# KiCad board MainPCBV1.kicad_pcb
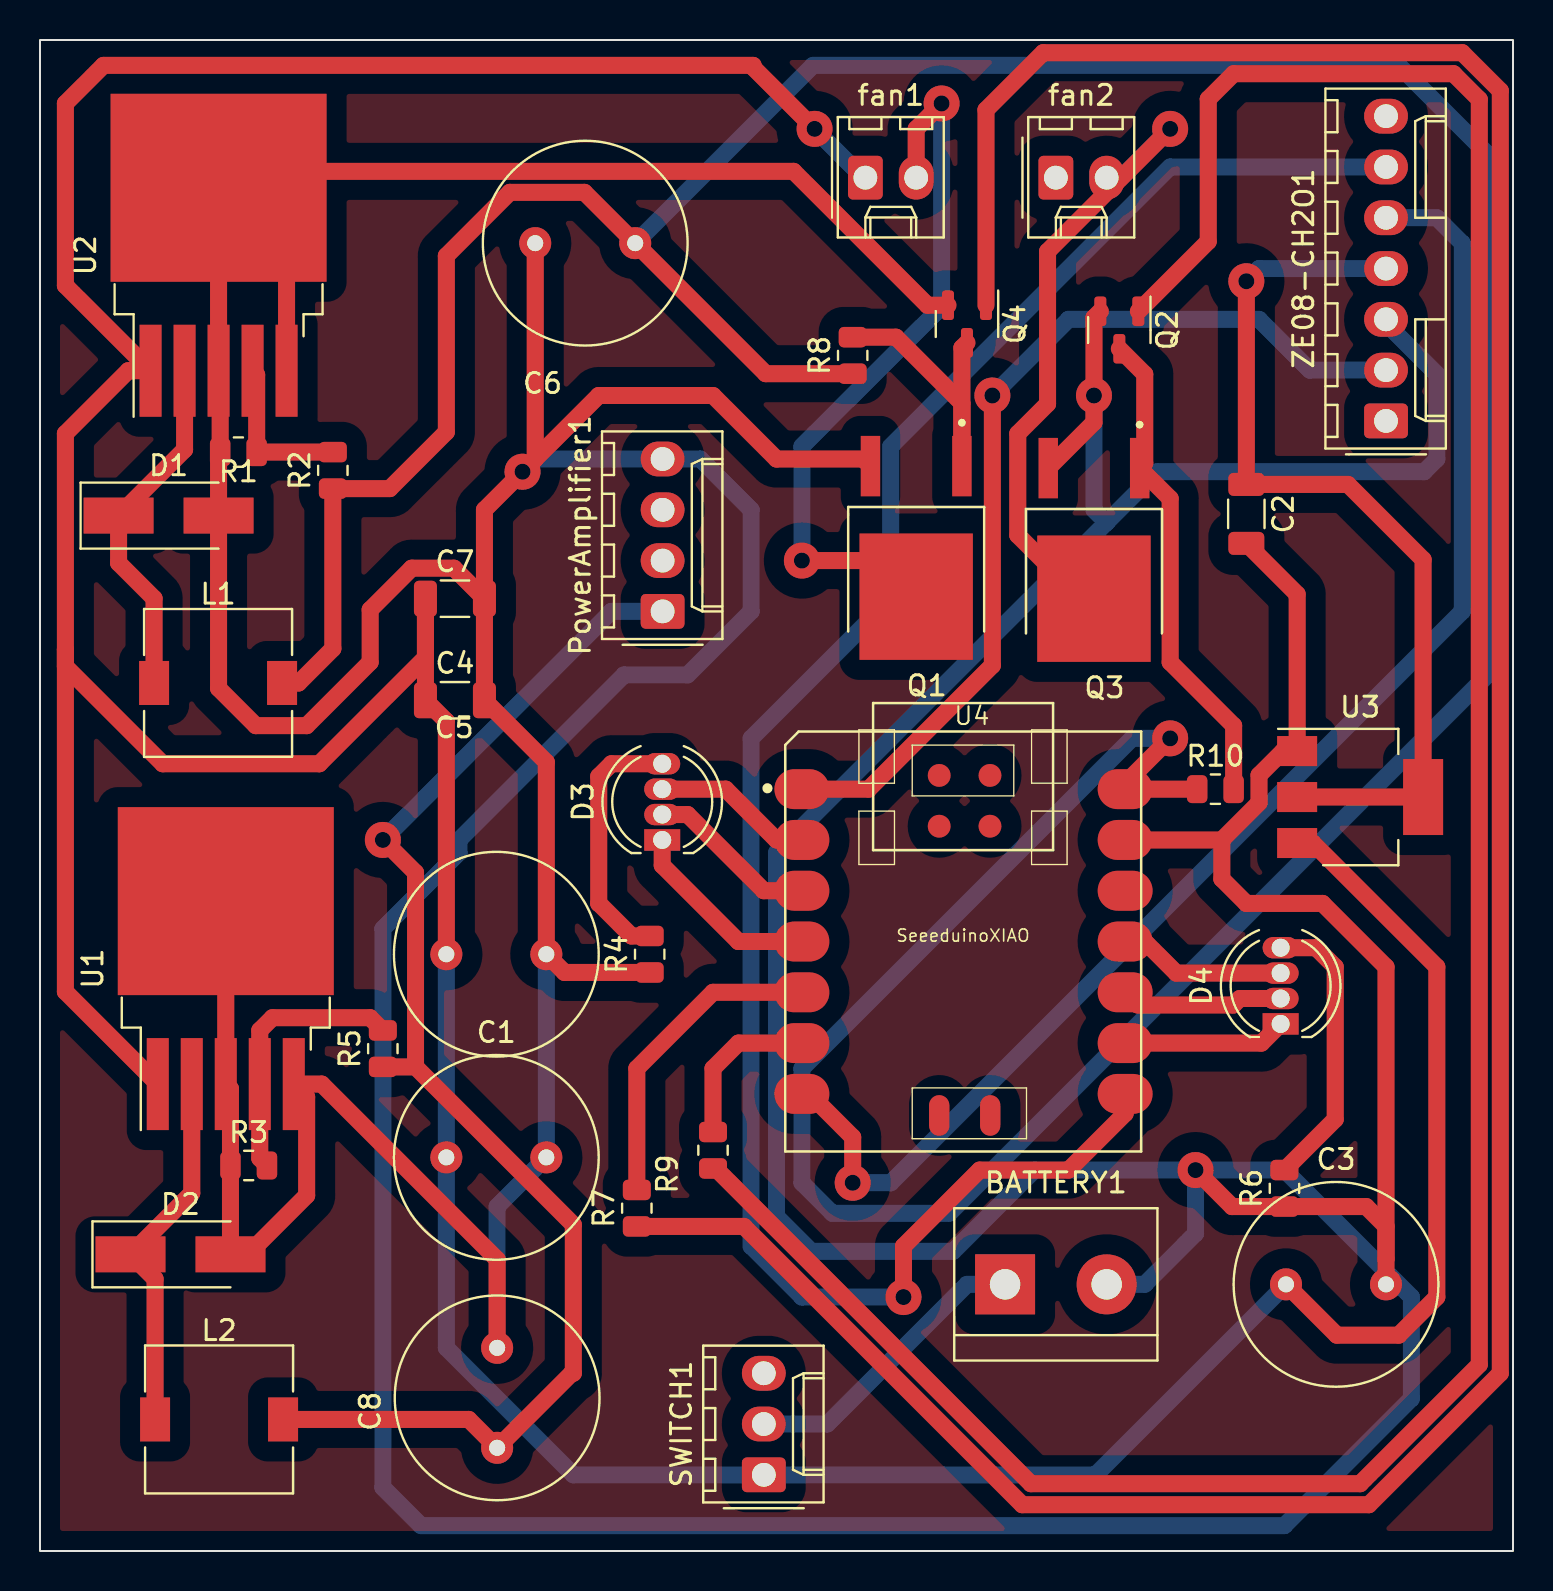
[diagram p0: board, top side]
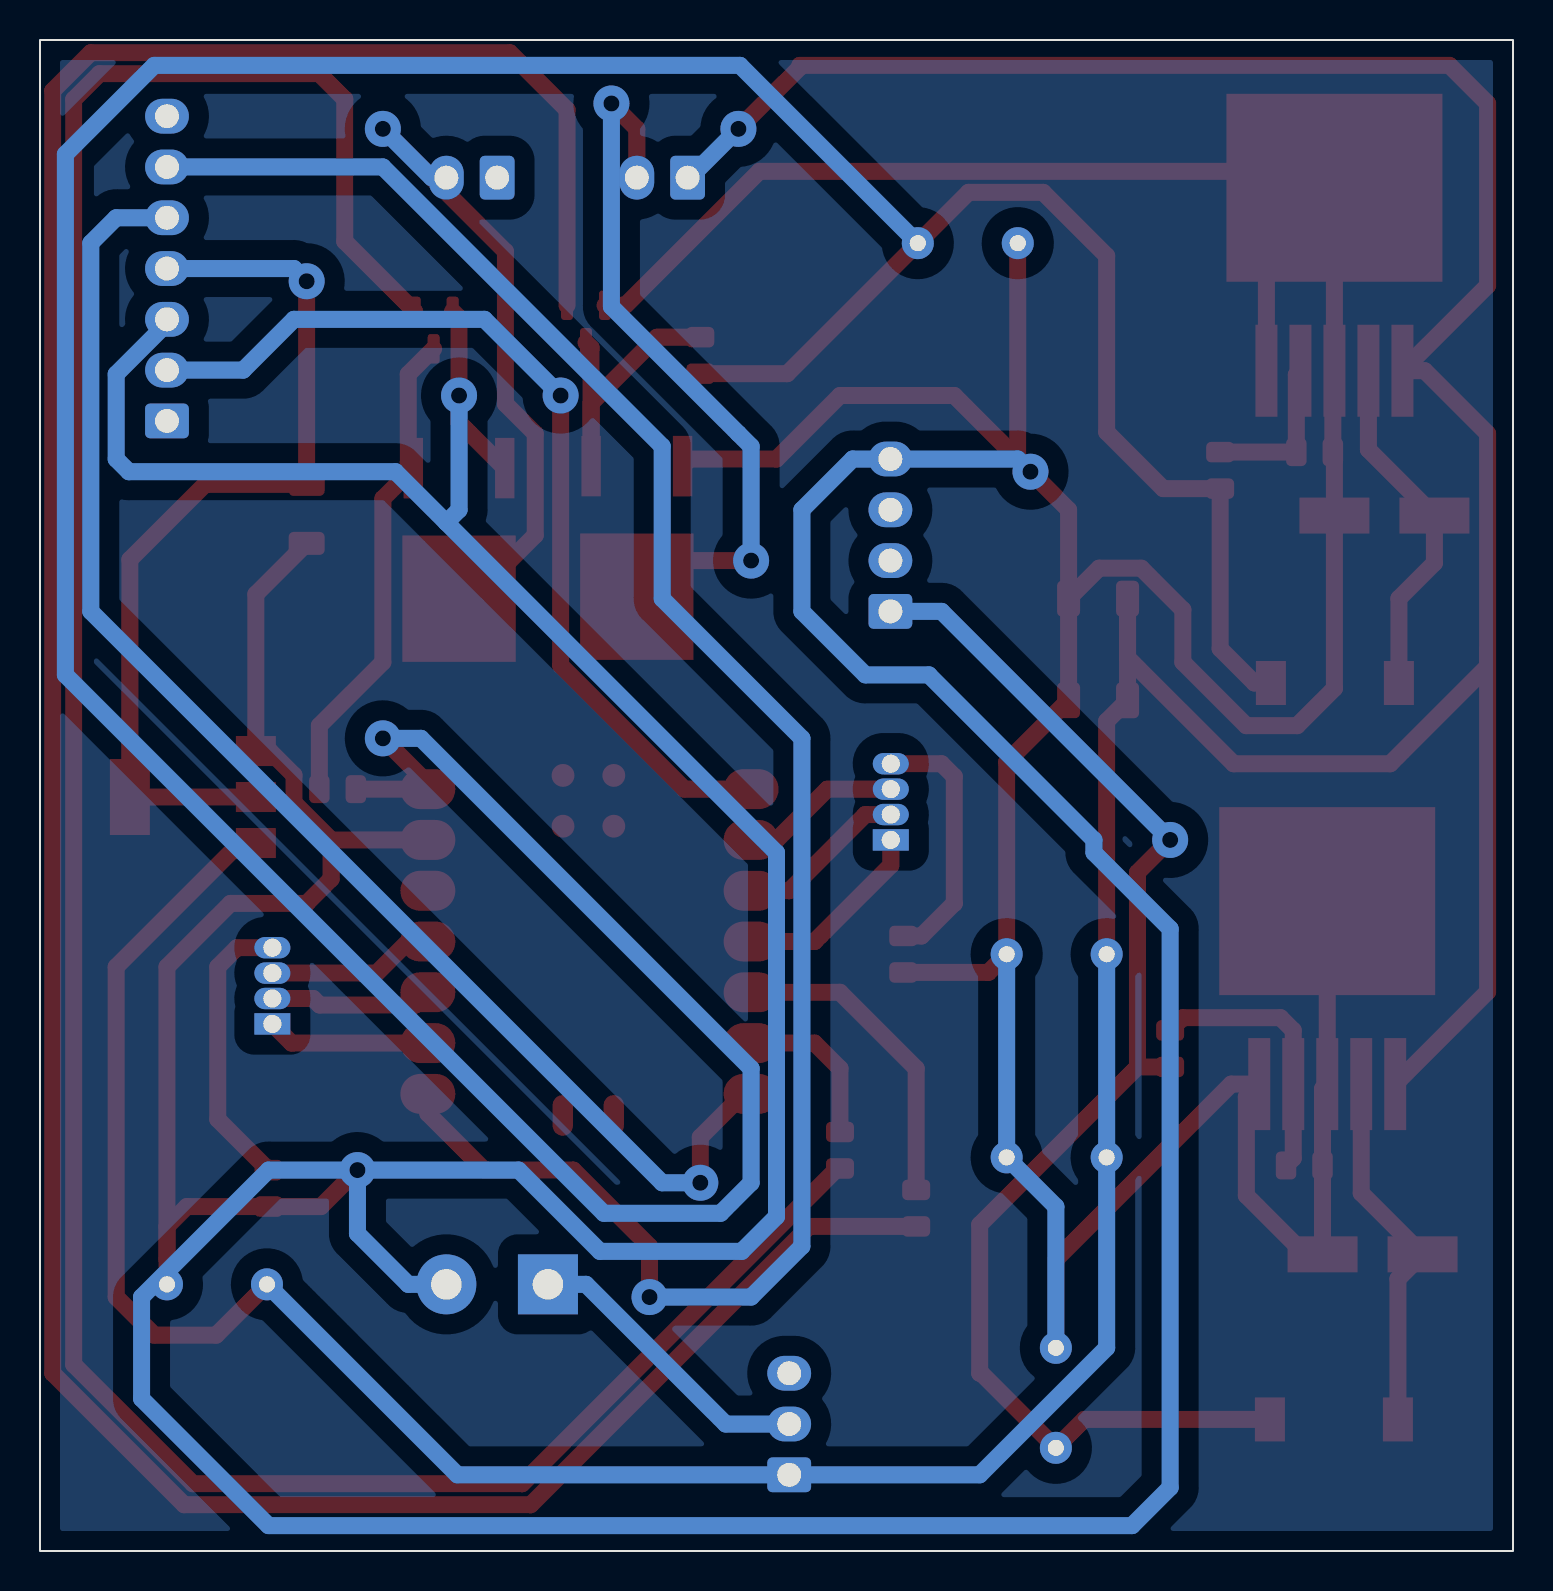
[diagram p1: board, bottom side, seen from below]

Outline 73.66 x 75.56 mm; copper layers: Top, Bottom. Coordinates in mm from the lower left corner of the outline.
Outline path: rectangle 0,75.56 73.66,0
Stack: Top 0.035mm / dielectric 1.51mm FR4 er 4.5 / Bottom 0.035mm

## Placement (name value [footprint] x y rotation side)
BATTERY1  Screw_Terminal_01x02  [TerminalBlock_bornier-2_P5.08mm]  48.26 13.33 0 top
C1  100uF  [C_Radial_D10.0mm_H12.5mm_P5.00mm]  20.32 19.68 0 top
C2  1uF  [C_1206_3216Metric]  60.33 51.86 270 top
C3  100uF  [C_Radial_D10.0mm_H12.5mm_P5.00mm]  62.31 13.33 0 top
C4  100n  [C_1206_3216Metric]  20.75 42.54 0 top
C5  100uF  [C_Radial_D10.0mm_H12.5mm_P5.00mm]  20.32 29.84 0 top
C6  100uF  [C_Radial_D10.0mm_H12.5mm_P5.00mm]  29.77 65.4 180 top
C7  100n  [C_1206_3216Metric]  20.75 47.62 0 top
C8  100uF  [C_Radial_D10.0mm_H12.5mm_P5.00mm]  22.86 5.16 90 top
D1  D_Shockley  [D_SMA_Handsoldering]  6.43 51.78 0 top
D2  D_Shockley  [D_SMA_Handsoldering]  7.03 14.83 0 top
D3  LED_BRGK  [LED_D5.0mm-4_RGB]  31.11 35.56 90 top
D4  LED_BRGK  [LED_D5.0mm-4_RGB]  62.04 26.36 90 top
fan1  Conn_01x02_Female  [Molex_KK-254_AE-6410-02A_1x02_P2.54mm_Vertical]  41.28 68.68 0 top
fan2  Conn_01x02_Female  [Molex_KK-254_AE-6410-02A_1x02_P2.54mm_Vertical]  50.8 68.68 0 top
L1  L  [L_7.3x7.3_H4.5]  8.91 43.41 0 top
L2  L  [L_7.3x7.3_H4.5]  8.95 6.58 0 top
PowerAmplifier1  Conn_01x04_Male  [Molex_KK-254_AE-6410-04A_1x04_P2.54mm_Vertical]  31.14 46.99 90 top
Q1  AOD4184A  [DPAK228P994X240-4N]  43.82 50.16 180 top
Q2  BC850  [SOT-23]  53.98 61.06 270 top
Q3  AOD4184A  [DPAK228P994X240-4N]  52.7 50.06 180 top
Q4  BC850  [SOT-23]  46.36 61.36 270 top
R1  R_US  [R_0805_2012Metric]  9.92 54.95 0 top
R2  R_US  [R_0805_2012Metric]  14.64 54.04 90 top
R3  R_US  [R_0805_2012Metric]  10.44 19.28 0 top
R4  10K  [R_0805_2012Metric]  30.49 29.84 90 top
R5  R_US  [R_0805_2012Metric]  17.14 25.12 90 top
R6  10K  [R_0805_2012Metric]  62.23 18.14 90 top
R7  R_US  [R_0805_2012Metric]  29.84 17.14 90 top
R8  R_US  [R_0805_2012Metric]  40.64 59.79 90 top
R9  R_US  [R_0805_2012Metric]  33.66 20.04 90 top
R10  10k  [R_0805_2012Metric]  58.78 38.1 0 top
SWITCH1  SW_SPDT  [Molex_KK-254_AE-6410-03A_1x03_P2.54mm_Vertical]  36.2 3.81 90 top
U1  LM2596S-ADJ  [TO-263-5_TabPin3]  9.29 29.12 90 top
U2  LM2596S-ADJ  [TO-263-5_TabPin3]  8.93 64.8 90 top
U3  AMS1117-5.0  [SOT-223-3_TabPin2]  66.02 37.7 0 top
U4  SeeeduinoXIAO  [Seeeduino XIAO-MOUDLE14P-2.54-21X17.8MM]  37.27 19.98 0 top
ZE08-CH2O1  Conn_01x07_Female  [Molex_KK-254_AE-6410-07A_1x07_P2.54mm_Vertical]  67.31 56.51 90 top

## Library data of the parts
Q1 Q3 = -: Description: N-Channel 40V 13A (Ta), 50A (Tc) 2.3W (Ta), 50W (Tc) Surface Mount TO-252, (D-Pak); Availability: In Stock; Check_prices: https://www.snapeda.com/parts/AOD4184A/Alpha+%2526+Omega+Semiconductor+Inc./view-part/?ref=eda; MANUFACTURER: Alpha and Omega; MAXIMUM_PACKAGE_HEIGHT: 2.4mm; MF: Alpha &; PARTREV: 0; Package: TO-252 Alpha &amp; Omega Semiconductor; Price: None; STANDARD: IPC-7351B; SnapEDA_Link: https://www.snapeda.com/parts/AOD4184A/Alpha+%2526+Omega+Semiconductor+Inc./view-part/?ref=snap

## Footprints (pads in the part's own frame, mm; a bottom-side part is the same pattern mirrored in y, then rotated)
C_1206_3216Metric
  rrect 1.15x1.8 smd: 1(-1.475,0) 2(1.475,0)
C_Radial_D10.0mm_H12.5mm_P5.00mm
  round 1.6 hole 0.8: 1(0,0) 2(5,0)
D_SMA_Handsoldering
  rect 3.5x1.8 smd: 1(-2.5,0) 2(2.5,0)
DPAK228P994X240-4N
  rect 0.97x3.02 smd: 1(-2.286,-4.09) 3(2.286,-4.09)
  rect 5.67x6.32 smd: 4(0,2.44)
L_7.3x7.3_H4.5
  rect 1.5x2.2 smd: 1(-3.2,0) 2(3.2,0)
LED_D5.0mm-4_RGB
  rect 1.07x1.8 hole 0.9: 1(0,0)
  oval 1.07x1.8 hole 0.9: 2(1.27,0) 3(2.54,0) 4(3.81,0)
Molex_KK-254_AE-6410-02A_1x02_P2.54mm_Vertical
  rrect 1.74x2.19 hole 1.19: 1(0,0)
  oval 1.74x2.19 hole 1.19: 2(2.54,0)
Molex_KK-254_AE-6410-03A_1x03_P2.54mm_Vertical
  rrect 1.74x2.19 hole 1.19: 1(0,0)
  oval 1.74x2.19 hole 1.19: 2(2.54,0) 3(5.08,0)
Molex_KK-254_AE-6410-04A_1x04_P2.54mm_Vertical
  rrect 1.74x2.19 hole 1.19: 1(0,0)
  oval 1.74x2.19 hole 1.19: 2(2.54,0) 3(5.08,0) 4(7.62,0)
Molex_KK-254_AE-6410-07A_1x07_P2.54mm_Vertical
  rrect 1.74x2.19 hole 1.19: 1(0,0)
  oval 1.74x2.19 hole 1.19: 2(2.54,0) 3(5.08,0) 4(7.62,0) 5(10.16,0) 6(12.7,0) 7(15.24,0)
R_0805_2012Metric
  rrect 1.025x1.4 smd: 1(-0.912,0) 2(0.912,0)
Seeeduino XIAO-MOUDLE14P-2.54-21X17.8MM
  oval 2.748x1.999 smd: 1(0.833,18.118) 2(0.833,15.578) 3(0.833,13.038) 4(0.833,10.498) 5(0.833,7.958) 6(0.833,5.418) 7(0.833,2.878) 8(16.998,2.878) 9(16.998,5.418) 10(16.998,7.958) 11(16.998,10.498) 12(16.998,13.038) 13(16.998,15.578) 14(16.998,18.118)
  oval 1.016x2.032 smd: 15(7.7,1.8) 16(10.25,1.8)
  round 1.143 smd: 17(7.699,18.804) 18(10.239,18.804) 19(7.699,16.264) 20(10.239,16.264)
SOT-23
  rrect 1.475x0.6 smd: 1(-0.938,0.95) 2(-0.938,-0.95) 3(0.938,0)
SOT-223-3_TabPin2
  rect 2x1.5 smd: 1(-3.15,2.3) 2(-3.15,0) 3(-3.15,-2.3)
  rect 2x3.8 smd: 2(3.15,0)
TerminalBlock_bornier-2_P5.08mm
  rect 3x3 hole 1.52: 1(0,0)
  round 3 hole 1.52: 2(5.08,0)
TO-263-5_TabPin3
  rect 4.55x5.25 smd: (0.95,2.775) (0.95,-2.775) (5.8,2.775) (5.8,-2.775)
  rect 4.6x1.1 smd: 1(-5.775,3.4) 2(-5.775,1.7) 3(-5.775,0) 4(-5.775,-1.7) 5(-5.775,-3.4)
  rect 9.4x10.8 smd: 3(3.375,0)

## Nets
+5V: C2.1 U3.2 ZE08-CH2O1.4
+5VA: C6.1 L1.2 R2.1 R8.1 R10.1 U4.14
+5VL: C8.1 L2.2 PowerAmplifier1.1 R5.1
+12V: C1.1 C3.1 C4.1 C5.1 C7.1 fan1.1 fan2.1 SWITCH1.1 U1.1 U2.1 U3.3
+12VA: BATTERY1.1 SWITCH1.2
GND: BATTERY1.2 C1.2 C2.2 C3.2 C4.2 C5.2 C6.2 C7.2 C8.2 D1.2 D2.2 PowerAmplifier1.4 Q1.3 Q2.2 Q3.3 Q4.2 R1.1 R3.1 R4.1 R6.1 U1.3 U1.5 U2.3 U2.5 U3.1 U4.13 ZE08-CH2O1.3
DAC1: U4.1 ZE08-CH2O1.2
mosfet1: R7.2 U4.5
mosfet2: R9.2 U4.6
RXD: U4.7 ZE08-CH2O1.5
TXD: U4.8 ZE08-CH2O1.6
Net-(D1-Pad1): D1.1 L1.1 U2.2
Net-(D2-Pad1): D2.1 L2.1 U1.2
Net-(D3-Pad1): D3.1 U4.4
Net-(D3-Pad4): D3.4 R4.2
Net-(D4-Pad1): D4.1 U4.9
Net-(D4-Pad4): D4.4 R6.2
Net-(Q1-Pad1): Q1.1 Q4.3 R8.2
Net-(Q1-Pad4): fan1.2 Q1.4
Net-(Q2-Pad1): Q2.1 R9.1
Net-(Q2-Pad3): Q2.3 Q3.1 R10.2
Net-(Q3-Pad4): fan2.2 Q3.4
Net-(Q4-Pad1): Q4.1 R7.1
Net-(R1-Pad2): R1.2 R2.2 U2.4
Net-(R3-Pad2): R3.2 R5.2 U1.4
Net-(U4-Pad2): D3.3 U4.2
Net-(U4-Pad3): D3.2 U4.3
Net-(U4-Pad10): D4.2 U4.10
Net-(U4-Pad11): D4.3 U4.11

Pads without a net: PowerAmplifier1 2 3; SWITCH1 3; U4 12 15 16 17 18 19 20; ZE08-CH2O1 1 7

## Via types
v1: diameter 1.8, hole 0.8, Top to Bottom, 13 vias

## Routing (per net, layer and track width the routed paths; a pad name or vN(x,y) marks a point on that pad's centre or on a via; arc(x,y) is an arc through that point)
+5V: length 46
  Top w0.85: v1(60.33,63.5) 60.33,53.34 65.4,53.34 69.17,49.58 U3.2 U3.2
  Bottom w0.85: ZE08-CH2O1.4 60.96,64.13 v1(60.33,63.5)
+5VA: length 210.6
  Top w0.85: v1(56.52,40.64) 54.26,38.39 U4.14 R10.1 ; L1.2 12.93,43.41 14.64,45.12 14.64,53.13 17.49,53.13 20.32,55.96 20.32,64.77 23.5,67.94 27.22,67.94 C6.1 36.29,58.88 R8.1
  Bottom w0.85: v1(56.52,40.64) 54.61,40.64 38.1,24.13 38.1,18.41 39.62,16.89 45.46,16.89 72.39,43.81 72.39,69.85 67.95,74.29 38.66,74.29 C6.1
+5VL: length 67.6
  Top w0.85: L2.2 21.44,6.58 C8.1 26.59,8.89 26.67,8.89 26.67,16.32 18.78,24.21 ; 17.14,24.21 18.78,24.21 ; 18.78,24.21 18.78,33.93 v1(17.14,35.56)
  Bottom w0.85: v1(17.14,35.56) 28.58,46.99 PowerAmplifier1.1
+12V: length 246.2
  Top w0.85: U1.1 1.27,27.97 1.27,45.08 ; C3.1 64.85,10.79 67.95,10.79 69.85,12.7 69.85,29.21 63.65,35.4 U3.3 ; C5.1 20.32,41.5 C4.1 C7.1 19.28,44.67 13.97,39.37 6.14,39.37 1.27,44.24 1.27,45.08 ; v1(38.73,71.12) 35.66,74.19 35.66,74.29 3.17,74.29 1.27,72.39 1.27,63.28 U2.1 4.42,59.02 1.27,55.88 1.27,45.08
  Bottom w0.85: v1(38.73,71.12) 41.17,68.68 fan1.1 ; C5.1 C1.1 20.32,10.16 26.67,3.81 SWITCH1.1 52.79,3.81 C3.1
+12VA: length 15
  Bottom w0.85: BATTERY1.1 46.36,13.33 39.37,6.35 SWITCH1.2
GND: length 548.8
  Top w0.85: 59.1,35.56 59.1,33.61 60.33,32.38 64.14,32.38 67.31,29.21 67.31,14.6 ; 59.1,35.56 U4.13 ; 59.1,35.56 60.96,37.42 60.96,38.8 62.17,40 U3.1 62.86,47.85 C2.2 ; v1(24.13,53.97) 24.77,54.61 C6.2 ; v1(24.13,53.97) 27.94,57.78 33.66,57.78 36.83,54.61 41.17,54.61 41.53,54.25 ; v1(24.13,53.97) 22.22,52.07 C7.2 ; C7.2 20.7,49.15 18.59,49.15 16.51,47.07 16.51,44.45 13.33,41.27 10.8,41.27 8.93,43.14 D1.2 8.93,54.87 R1.1 9.01,58.94 U2.3 U2.3 ; C7.2 C4.2 25.32,39.45 C5.2 26.23,28.93 R4.1 ; 67.31,14.6 67.31,16.23 66.32,17.22 R6.1 59.61,17.22 v1(57.79,19.05) ; 67.31,14.6 C3.2 ; U2.3 9.75,68.99 37.69,68.99 44.38,62.3 45.4,62.3 ; U2.3 12.33,64.77 U2.5 ; C8.2 22.86,14.58 14.09,23.35 U1.5 13.33,22.7 13.33,17.78 10.39,14.83 D2.2 R3.1 9.53,23.11 U1.3 U1.3 ; Q3.3 52.7,56.44 v1(52.7,57.78) 52.7,61.68 53.02,62
  Bottom w0.85: v1(57.79,19.05) 62.23,19.05 68.58,12.7 68.58,7.62 62.23,1.27 19.05,1.27 17.14,3.17 17.14,31.11 20.95,34.92 20.95,35.56 29.21,43.81 32.39,43.81 35.56,46.99 35.56,52.07 33.02,54.61 PowerAmplifier1.4 24.77,54.61 v1(24.13,53.97) ; v1(57.79,19.05) 57.79,15.88 55.24,13.33 BATTERY1.2 ; v1(57.79,19.05) 49.73,19.05 45.66,14.98 38.57,14.98 36.83,16.72 36.83,34.92 53.34,51.43 ; C5.2 C1.2 22.86,17.22 C8.2 ; ZE08-CH2O1.3 67.11,61.59 69.85,58.85 69.85,54.61 69.21,53.97 55.88,53.97 53.34,51.43 ; 53.34,51.43 52.7,52.07 v1(52.7,57.78)
DAC1: length 47.9
  Top w0.85: v1(47.63,57.78) 47.63,57.78 47.63,44.29 41.44,38.1 U4.1
  Bottom w0.85: v1(47.63,57.79) 51.43,61.59 60.96,61.59 63.5,59.05 ZE08-CH2O1.2
mosfet1: length 15.9
  Top w0.85: U4.5 33.66,27.94 29.84,24.13 R7.2
mosfet2: length 8.1
  Top w0.85: U4.6 34.92,25.4 33.66,24.13 R9.2
RXD: length 70.8
  Top w0.85: U4.7 38.47,22.86 40.64,20.69 v1(40.64,18.41)
  Bottom w0.85: v1(40.64,18.41) 42.55,18.41 71.12,46.99 71.12,65.4 69.85,66.67 ZE08-CH2O1.5
TXD: length 99.5
  Top w0.85: U4.8 54.26,21.88 51.43,19.05 46.99,19.05 43.18,15.24 v1(43.18,12.7)
  Bottom w0.85: v1(43.18,12.7) 38.1,12.7 35.56,15.24 35.56,40.64 42.55,47.62 42.55,55.24 56.52,69.21 ZE08-CH2O1.6
Net-(D1-Pad1): length 17.7
  Top w0.85: L1.1 5.7,47.63 3.93,49.41 D1.1 7.23,55.08 U2.2
Net-(D2-Pad1): length 18.5
  Top w0.85: U1.2 7.59,17.9 D2.1 5.75,13.6 L2.1
Net-(D3-Pad1): length 9.8
  Top w0.85: D3.1 31.11,34.29 34.92,30.48 U4.4
Net-(D3-Pad4): length 13
  Top w0.85: R4.2 29.58,30.76 27.95,32.38 27.94,32.38 27.94,38.73 28.58,39.37 D3.4
Net-(D4-Pad1): length 8.2
  Top w0.85: D4.1 61.08,25.4 U4.9
Net-(D4-Pad4): length 14.3
  Top w0.85: R6.2 64.77,21.59 64.77,29.21 63.81,30.17 D4.4
Net-(Q1-Pad1): length 16.3
  Top w0.85: Q4.3 46.1,60.17 Q1.1 46.1,57.4 42.8,60.7 R8.2
Net-(Q1-Pad4): length 36.5
  Top w0.85: v1(38.1,49.53) 42.01,49.53 Q1.4 ; fan1.2 43.82,71.12 v1(45.08,72.39)
  Bottom w0.85: v1(38.1,49.53) 38.1,55.24 45.08,62.23 v1(45.08,72.39)
Net-(Q2-Pad1): length 137.3
  Top w0.85: Q2.1 58.42,65.49 58.42,72.61 59.69,73.88 70.69,73.88 71.98,72.59 71.98,9.32 66.02,3.36 49.55,3.36 33.79,19.13 R9.1
Net-(Q2-Pad3): length 24.6
  Top w0.85: Q2.3 55.24,58.85 55.24,54.41 Q3.1 56.52,52.63 56.52,44.45 59.69,41.27 R10.2
Net-(Q3-Pad4): length 32.8
  Top w0.85: Q3.4 52.07,47.62 48.89,50.8 48.89,55.88 50.39,57.37 50.39,64.99 v1(56.52,71.12)
  Bottom w0.85: v1(56.52,71.12) 54.08,68.68 fan2.2
Net-(Q4-Pad1): length 153.3
  Top w0.85: R7.1 35.2,16.23 49.12,2.31 66.45,2.31 73.02,8.89 73.02,73.02 71.12,74.93 50.17,74.93 47.3,72.07 Q4.1
Net-(R1-Pad2): length 8
  Top w0.85: R2.2 R1.2 10.83,58.82 U2.4
Net-(R3-Pad2): length 13.6
  Top w0.85: R5.2 16.51,26.67 11.62,26.67 10.99,26.03 U1.4 10.99,19.64 R3.2
Net-(U4-Pad2): length 8
  Top w0.85: D3.3 34.29,38.1 36.83,35.56 U4.2
Net-(U4-Pad3): length 8.6
  Top w0.85: U4.3 36.2,33.02 32.39,36.83 D3.2
Net-(U4-Pad10): length 8.2
  Top w0.85: D4.2 60,27.63 59.67,27.3 54.9,27.3 U4.10
Net-(U4-Pad11): length 8.4
  Top w0.85: U4.11 55.24,30.48 56.82,28.9 D4.3

## Copper pours and planes (outline as drawn; the poured copper is in the pictures)
(no net) on Top: 73.66,0 0,0 0,75.56 73.66,75.56
(no net) on Bottom: 73.66,0 0,0 0,75.56 73.66,75.56
